# Altium PCB miniBackplane.PcbDoc (part 4 of 24) (continued)
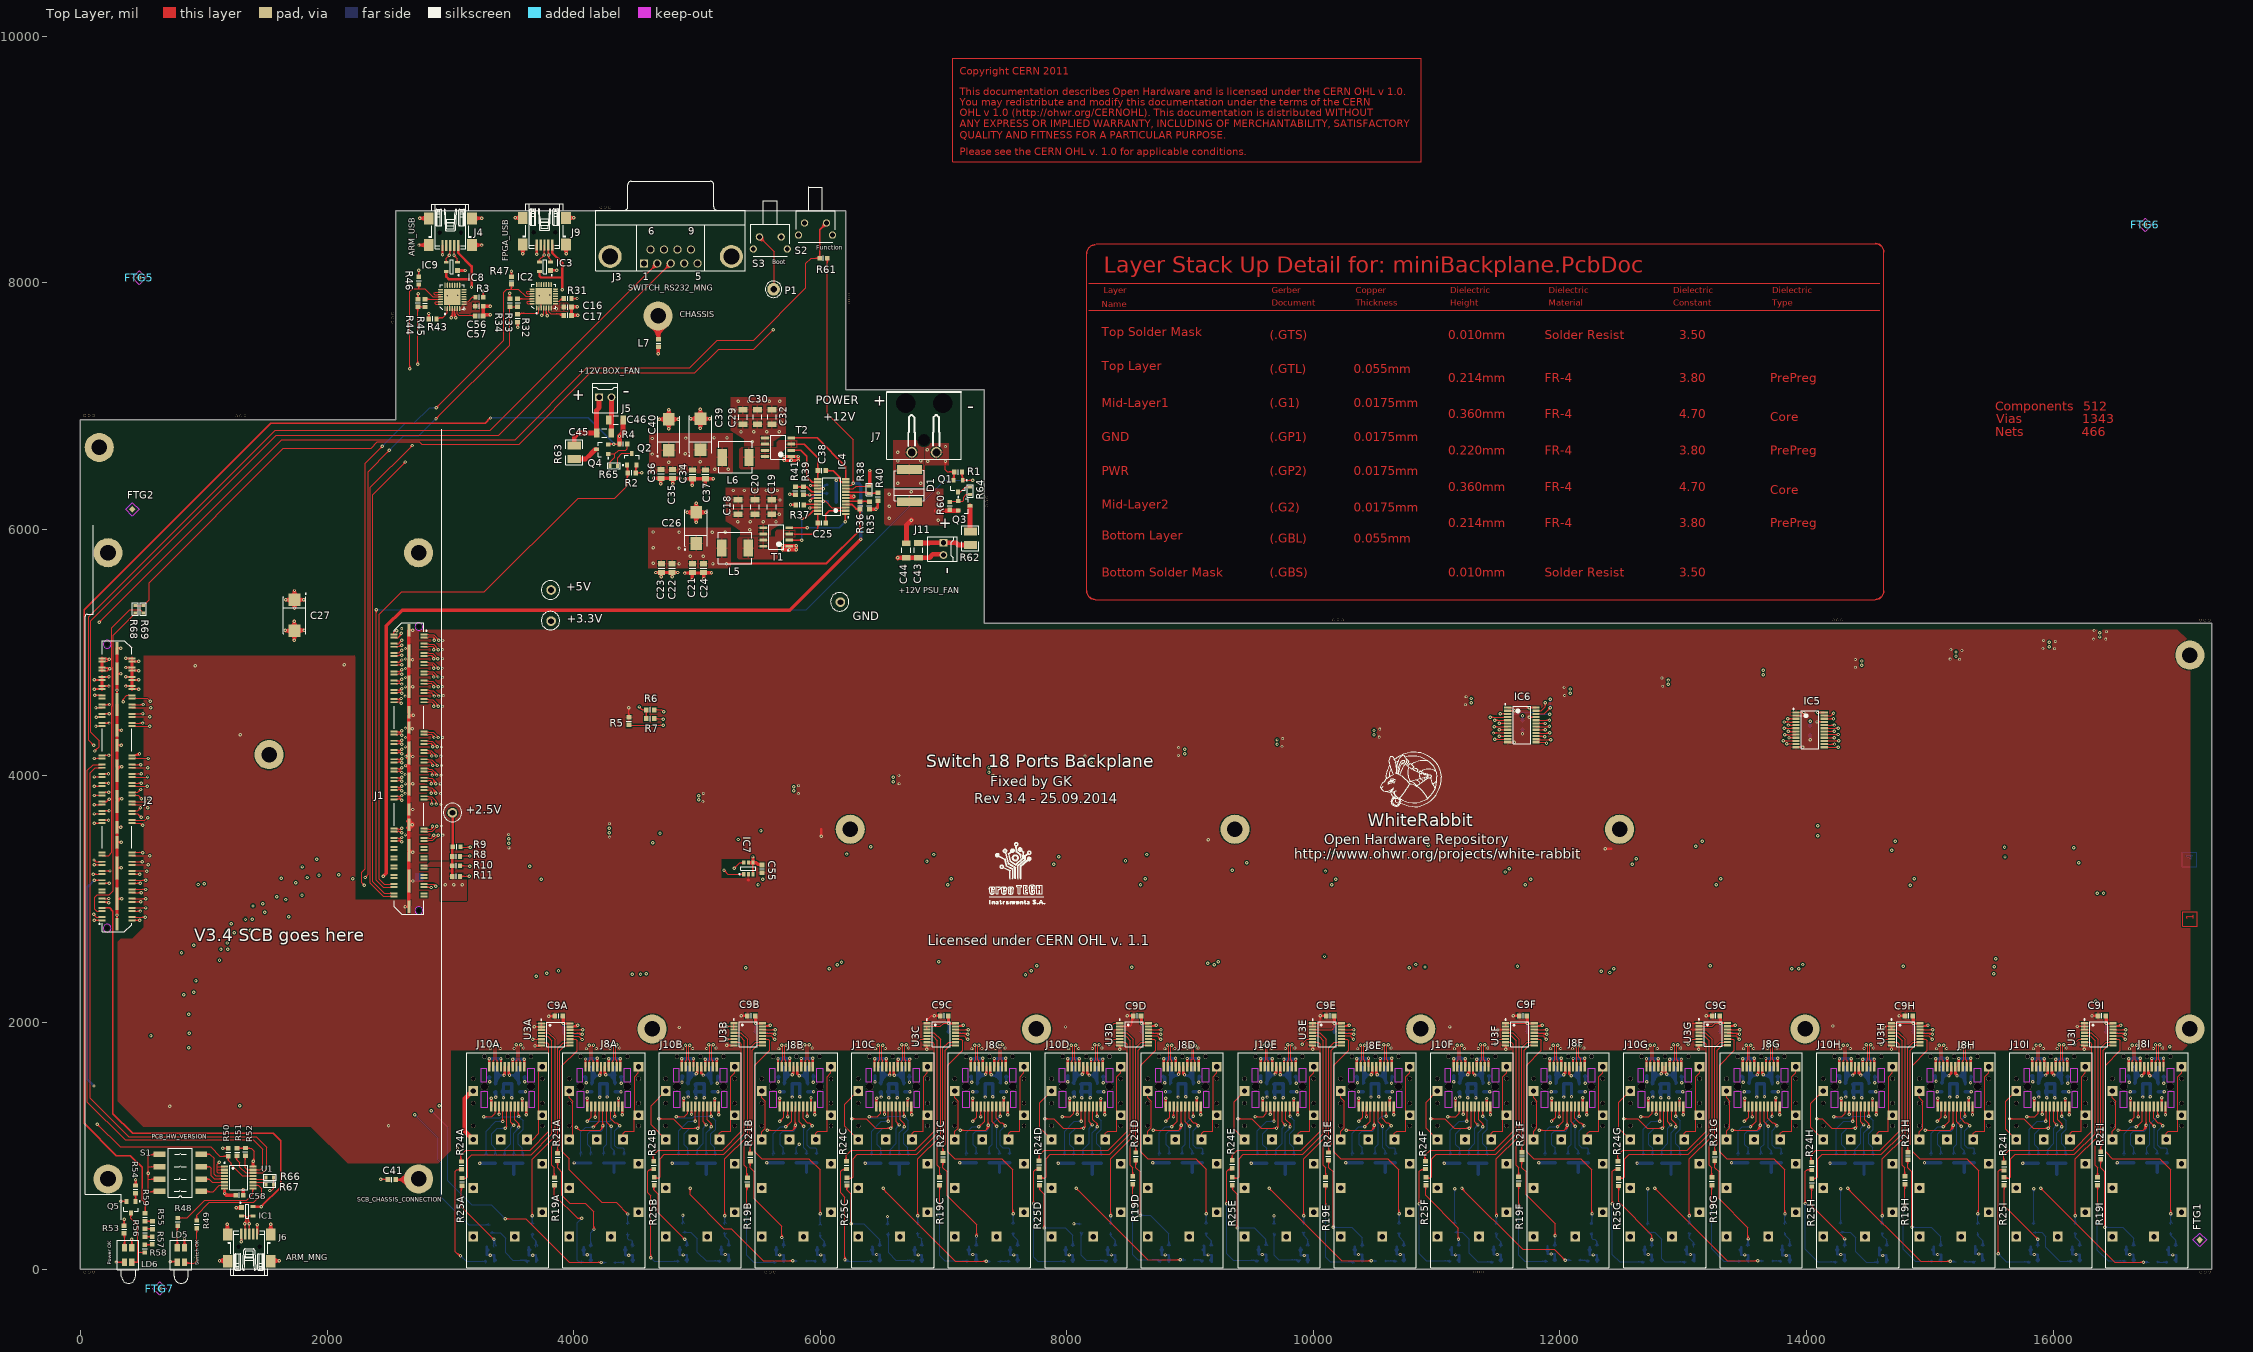
[diagram p0: Top Layer view]
## Nets (pads, with @x,y where several pads share a name; then routed paths per layer and width w, separated by ;. In a path a pad name is that pad's centre, name@x,y a point inside that pad or via, vN(x,y) a via of type N, cw(c..) or ccw(c..) an arc to the next point about the centre after c; other vN are vias at no path point) (continued)
  other v1: 110.68,3616.29
ARM_2V5_GPIO_PE7: J2.67 J8F.6 R13F.1 | length 15900.6
  Top Layer w7.87: J2.67@174.94,4428.79 v1(231.94,4428.79) ; J8F.6@12090.71,1320.05 12090.71,1193.61 v1(12125.69,1158.62) ; 12110.22,1172.61 cw(c12105.35,1154.46) v1@12123.76,1158.23 ; 12111.7,1174.1 ccw(c12129.86,1178.96) v1@12126.09,1160.55 ; 205.12,4428.79 ccw(c205.12,4419.29) 198.39,4426.01 cw(c205.12,4419.29) 205.12,4428.79 ; 205.12,4428.79 cw(c205.12,4438.3) 198.39,4431.58 ccw(c205.12,4438.3) 205.12,4428.79 ; 208.18,4428.79 ccw(c208.18,4452.55) 224.98,4435.75 cw(c208.18,4452.55) 208.18,4428.79 ; 208.18,4428.79 cw(c208.18,4405.03) 224.98,4421.83 ccw(c208.18,4405.03) 208.18,4428.79 ; 12090.71,1274.6 ccw(c12076.45,1274.6) 12086.53,1284.68 cw(c12076.45,1274.6) 12090.71,1274.6 ; 12090.71,1274.6 cw(c12104.97,1274.6) 12094.88,1284.68 ccw(c12104.97,1274.6) 12090.71,1274.6 ; 12108.89,1175.42 ccw(c12125.69,1192.23) 12125.69,1168.46 cw(c12125.69,1192.23) 12108.89,1175.42 ; 12108.89,1175.42 cw(c12092.09,1158.62) 12115.85,1158.62 ccw(c12092.09,1158.62) 12108.89,1175.42
  Mid-Layer 1 w7.09: v1@232.28,4429.13 425.42,4236 516,4236 1578.74,3173.26 1578.74,3135.83 2099.41,2615.16 2765.75,2615.16 2970.47,2819.88 8108.27,2819.88 8185.04,2743.11 11067.91,2743.11 11287.4,2523.62 12227.09,2523.62 v1(12334.65,2416.06) ; 12317.17,2433.54 ccw(c12334.65,2451.01) 12334.65,2426.3 cw(c12334.65,2451.01) 12317.17,2433.54 ; 12317.17,2433.54 cw(c12299.7,2416.06) 12324.41,2416.06 ccw(c12299.7,2416.06) 12317.17,2433.54 ; v1@231.94,4418.56 cw(c231.94,4392.19) 250.58,4410.83 ccw(c231.94,4392.19) v1@231.94,4418.56 ; v1@242.18,4428.79 ccw(c265.24,4428.79) 248.93,4412.49 cw(c265.24,4428.79) v1@242.18,4428.79
  Mid-Layer 2 w7.09: v1@12122.15,1160.34 cw(c12141.15,1151.15) 12135.69,1171.54 ; v1(12125.69,1158.62) 12134.81,1158.62 12181.75,1205.56 12231.75,1205.56 12281.75,1255.56 12281.75,1410.56 ; v1@12128.53,1157.25 cw(c12159.57,1142.24) 12150.64,1175.54 ; v1@12130.81,1167.49 ccw(c12137.97,1179.89) 12141.68,1166.06 ; 12281.19,1411.11 12409.45,1539.37 12409.45,2341.26 v1(12334.65,2416.06) ; 12352.12,2398.59 ccw(c12334.65,2381.11) 12334.65,2405.83 cw(c12334.65,2381.11) 12352.12,2398.59 ; 12352.12,2398.59 cw(c12369.59,2416.06) 12344.88,2416.06 ccw(c12369.59,2416.06) 12352.12,2398.59 ; v1@12125.69,1161.77 ccw(c12125.69,1191.39) 12146.64,1170.45 cw(c12125.69,1191.39) v1@12125.69,1161.77 ; v1@12125.69,1168.86 ccw(c12125.69,1215.58) 12158.73,1182.54 cw(c12125.69,1215.58) v1@12125.69,1168.86
  Bottom Layer w7.87: v1(12125.69,1158.62) 12125.69,983.62 12148.88,960.44 R13F.1@12148.88,925.12 ; 12125.69,1134.86 ccw(c12101.93,1134.86) 12118.73,1151.66 cw(c12101.93,1134.86) 12125.69,1134.86 ; 12125.69,1134.86 cw(c12149.45,1134.86) 12132.65,1151.66 ccw(c12149.45,1134.86) 12125.69,1134.86 ; 12148.88,958.38 ccw(c12182.14,958.38) 12158.62,934.86 cw(c12182.14,958.38) 12148.88,958.38 ; 12148.88,958.38 cw(c12115.61,958.38) 12139.13,934.86 ccw(c12115.61,958.38) 12148.88,958.38
ARM_2V5_GPIO_PE8: J2.25 J10E.6 R27E.1 | length 12715.2
  Top Layer w7.87: v1(110.97,3278.79) J2.25@174.94,3278.79 ; J10E.6@9746.14,1320.05 9746.14,1193.61 v1(9771.13,1168.62) ; 9755.65,1182.61 cw(c9750.78,1164.46) v1@9769.2,1168.23 ; 9757.14,1184.1 ccw(c9775.29,1188.96) v1@9771.52,1170.55 ; 134.73,3278.79 ccw(c134.73,3255.03) 117.93,3271.83 cw(c134.73,3255.03) 134.73,3278.79 ; 134.73,3278.79 cw(c134.73,3302.55) 117.93,3285.75 ccw(c134.73,3302.55) 134.73,3278.79 ; 144.77,3278.79 ccw(c144.77,3288.3) 151.49,3281.58 cw(c144.77,3288.3) 144.77,3278.79 ; 144.77,3278.79 cw(c144.77,3269.29) 151.49,3276.01 ccw(c144.77,3269.29) 144.77,3278.79 ; 9746.14,1274.6 ccw(c9731.88,1274.6) 9741.97,1284.68 cw(c9731.88,1274.6) 9746.14,1274.6 ; 9746.14,1274.6 cw(c9760.4,1274.6) 9750.32,1284.68 ccw(c9760.4,1274.6) 9746.14,1274.6 ; 9754.32,1185.42 ccw(c9771.13,1202.23) 9771.13,1178.46 cw(c9771.13,1202.23) 9754.32,1185.42 ; 9754.32,1185.42 cw(c9737.52,1168.62) 9761.28,1168.62 ccw(c9737.52,1168.62) 9754.32,1185.42
  Mid-Layer 1 w7.09: v1@111.56,3279.53 364.47,3279.53 455,3189 455,2546.97 1478.35,1523.62 2872.05,1523.62 3484.25,2135.83 8860.65,2135.83 9307.18,1689.3 9307.18,1355.82 9494.38,1168.62 v1(9771.13,1168.62) ; 9746.41,1168.62 ccw(c9746.41,1193.33) 9763.89,1175.86 cw(c9746.41,1193.33) 9746.41,1168.62 ; 9746.41,1168.62 cw(c9746.41,1143.91) 9763.89,1161.38 ccw(c9746.41,1143.91) 9746.41,1168.62 ; v1@118.21,3271.55 cw(c137.46,3252.3) 137.46,3279.53 ccw(c137.46,3252.3) v1@118.21,3271.55 ; v1@118.21,3286.03 ccw(c133.91,3301.73) 133.91,3279.53 cw(c133.91,3301.73) v1@118.21,3286.03
  Bottom Layer w7.87: R27E.1@9696.81,922.53 9696.81,969.31 9746.13,1018.62 9746.13,1143.62 v1(9771.13,1168.62) ; 9696.81,955.79 ccw(c9730.08,955.79) 9706.55,932.27 cw(c9730.08,955.79) 9696.81,955.79 ; 9696.81,955.79 cw(c9663.54,955.79) 9687.07,932.27 ccw(c9663.54,955.79) 9696.81,955.79 ; 9754.32,1151.82 ccw(c9737.52,1168.62) 9761.28,1168.62 cw(c9737.52,1168.62) 9754.32,1151.82 ; 9754.32,1151.82 cw(c9771.13,1135.02) 9771.13,1158.78 ccw(c9771.13,1135.02) 9754.32,1151.82
ARM_2V5_GPIO_PE9: J2.65 J8E.6 R13E.1 | length 14718.4
  Top Layer w7.87: v1(125.98,4403.79) J2.65@174.94,4403.79 ; 142.06,4401.73 cw(c145.55,4388.69) J2.65@152.3,4400.38 ; 142.06,4405.85 ccw(c145.55,4418.9) J2.65@152.3,4407.2 ; J8E.6@10526.14,1320.05 10526.14,1193.61 v1(10561.13,1158.62) ; 10545.65,1172.61 cw(c10540.78,1154.46) v1@10559.2,1158.23 ; 10547.14,1174.1 ccw(c10565.29,1178.96) v1@10561.52,1160.55 ; 144.77,4403.79 ccw(c144.77,4413.3) 151.49,4406.58 cw(c144.77,4413.3) 144.77,4403.79 ; 144.77,4403.79 cw(c144.77,4394.29) 151.49,4401.01 ccw(c144.77,4394.29) 144.77,4403.79 ; J2.65@149.75,4403.79 ccw(c149.75,4380.03) 132.94,4396.83 cw(c149.75,4380.03) J2.65@149.75,4403.79 ; J2.65@149.75,4403.79 cw(c149.75,4427.55) 132.94,4410.75 ccw(c149.75,4427.55) J2.65@149.75,4403.79 ; 10526.14,1274.6 ccw(c10511.88,1274.6) 10521.97,1284.68 cw(c10511.88,1274.6) 10526.14,1274.6 ; 10526.14,1274.6 cw(c10540.4,1274.6) 10530.32,1284.68 ccw(c10540.4,1274.6) 10526.14,1274.6 ; 10544.32,1175.42 ccw(c10561.13,1192.23) 10561.13,1168.46 cw(c10561.13,1192.23) 10544.32,1175.42 ; 10544.32,1175.42 cw(c10527.52,1158.62) 10551.28,1158.62 ccw(c10527.52,1158.62) 10544.32,1175.42
  Mid-Layer 1 w7.09: v1@125.98,4403.2 125.98,4336.02 421,4041 483.92,4041 484.02,4041.09 504.57,4041.09 504.66,4041 542,4041 1535.43,3047.57 1535.43,2957.68 2016.73,2476.38 2763.78,2476.38 3006.89,2719.49 7954.72,2719.49 8059.06,2615.16 10691.93,2615.16 10779.53,2527.56 v1(10779.53,2445) ; 125.98,4379.08 ccw(c101.27,4379.08) 118.75,4396.55 cw(c101.27,4379.08) 125.98,4379.08 ; 125.98,4379.08 cw(c150.7,4379.08) 133.22,4396.55 ccw(c150.7,4379.08) 125.98,4379.08 ; 10779.53,2469.71 ccw(c10804.24,2469.71) 10786.77,2452.24 cw(c10804.24,2469.71) 10779.53,2469.71 ; 10779.53,2469.71 cw(c10754.82,2469.71) 10772.29,2452.24 ccw(c10754.82,2469.71) 10779.53,2469.71
  Mid-Layer 2 w7.09: v1@10557.58,1160.34 cw(c10576.59,1151.15) 10571.12,1171.54 ; v1(10561.13,1158.62) 10570.24,1158.62 10617.18,1205.56 10667.18,1205.56 10717.18,1255.56 10717.18,1410.99 10842.5,1536.31 10842.5,1712.62 10696.85,1858.27 10696.85,2000 10783.35,2086.5 v1@10783.35,2445 ; v1@10563.96,1157.25 cw(c10595,1142.24) 10586.08,1175.54 ; v1@10566.24,1167.49 ccw(c10573.41,1179.89) 10577.11,1166.06 ; v1@10561.13,1161.77 ccw(c10561.13,1191.39) 10582.07,1170.45 cw(c10561.13,1191.39) v1@10561.13,1161.77 ; v1@10561.13,1168.86 ccw(c10561.13,1215.58) 10594.17,1182.54 cw(c10561.13,1215.58) v1@10561.13,1168.86 ; v1@10772.29,2437.76 cw(c10745.6,2411.07) 10783.35,2411.07 ccw(c10745.6,2411.07) v1@10772.29,2437.76 ; v1@10777.3,2442.77 cw(c10762.7,2428.18) 10783.35,2428.18 ccw(c10762.7,2428.18) v1@10777.3,2442.77 ; 10783.35,2429.51 cw(c10795.02,2429.51) 10786.77,2437.76 ccw(c10795.02,2429.51) 10783.35,2429.51
  Bottom Layer w7.87: v1(10561.13,1158.62) 10561.13,983.62 10584.31,960.44 R13E.1@10584.31,925.12 ; 10561.13,1134.86 ccw(c10537.36,1134.86) 10554.17,1151.66 cw(c10537.36,1134.86) 10561.13,1134.86 ; 10561.13,1134.86 cw(c10584.89,1134.86) 10568.09,1151.66 ccw(c10584.89,1134.86) 10561.13,1134.86 ; 10584.31,958.38 ccw(c10617.58,958.38) 10594.05,934.86 cw(c10617.58,958.38) 10584.31,958.38 ; 10584.31,958.38 cw(c10551.04,958.38) 10574.57,934.86 ccw(c10551.04,958.38) 10584.31,958.38
ARM_2V5_GPIO_PE10: J2.23 J10D.6 R27D.1 | length 11009.1
  Top Layer w7.87: J2.23@174.94,3228.79 v1(239.71,3228.79) ; J10D.6@8181.14,1320.05 8181.14,1193.61 v1(8206.13,1168.62) ; 8190.65,1182.61 cw(c8185.78,1164.46) v1@8204.2,1168.23 ; 8192.14,1184.1 ccw(c8210.29,1188.96) v1@8206.52,1170.55 ; 205.12,3228.79 ccw(c205.12,3219.29) 198.39,3226.01 cw(c205.12,3219.29) 205.12,3228.79 ; 205.12,3228.79 cw(c205.12,3238.3) 198.39,3231.58 ccw(c205.12,3238.3) 205.12,3228.79 ; 215.95,3228.79 ccw(c215.95,3252.55) 232.75,3235.75 cw(c215.95,3252.55) 215.95,3228.79 ; 215.95,3228.79 cw(c215.95,3205.03) 232.75,3221.83 ccw(c215.95,3205.03) 215.95,3228.79 ; 8181.14,1274.6 ccw(c8166.88,1274.6) 8176.97,1284.68 cw(c8166.88,1274.6) 8181.14,1274.6 ; 8181.14,1274.6 cw(c8195.4,1274.6) 8185.32,1284.68 ccw(c8195.4,1274.6) 8181.14,1274.6 ; 8189.32,1185.42 ccw(c8206.13,1202.23) 8206.13,1178.46 cw(c8206.13,1202.23) 8189.32,1185.42 ; 8189.32,1185.42 cw(c8172.52,1168.62) 8196.28,1168.62 ccw(c8172.52,1168.62) 8189.32,1185.42
  Mid-Layer 1 w7.09: v1@240.3,3228.2 290.8,3228.2 426,3093 426,2438.17 1395.67,1468.5 2911.42,1468.5 3529.53,2086.61 7334.65,2086.61 7742.18,1679.08 7742.18,1352.82 7926.38,1168.62 v1(8206.13,1168.62) ; 8181.41,1168.62 ccw(c8181.41,1193.33) 8198.89,1175.86 cw(c8181.41,1193.33) 8181.41,1168.62 ; 8181.41,1168.62 cw(c8181.41,1143.91) 8198.89,1161.38 ccw(c8181.41,1143.91) 8181.41,1168.62 ; v1@246.95,3221.55 cw(c263,3205.5) 263,3228.2 ccw(c263,3205.5) v1@246.95,3221.55 ; v1@246.95,3236.03 ccw(c265.85,3254.93) 265.85,3228.2 cw(c265.85,3254.93) v1@246.95,3236.03
  Bottom Layer w7.87: R27D.1@8131.81,922.53 8131.81,969.31 8181.13,1018.62 8181.13,1143.62 v1(8206.13,1168.62) ; 8131.81,955.79 ccw(c8165.08,955.79) 8141.55,932.27 cw(c8165.08,955.79) 8131.81,955.79 ; 8131.81,955.79 cw(c8098.54,955.79) 8122.07,932.27 ccw(c8098.54,955.79) 8131.81,955.79 ; 8189.32,1151.82 ccw(c8172.52,1168.62) 8196.28,1168.62 cw(c8172.52,1168.62) 8189.32,1151.82 ; 8189.32,1151.82 cw(c8206.13,1135.02) 8206.13,1158.78 ccw(c8206.13,1135.02) 8189.32,1151.82
ARM_2V5_GPIO_PE11: J2.47 J8D.6 R13D.1 | length 12718
  Top Layer w7.87: J2.47@174.94,3866.29 v1(228.2,3866.29) ; J8D.6@8961.14,1320.05 8961.14,1193.61 v1(8996.13,1158.62) ; 8980.65,1172.61 cw(c8975.78,1154.46) v1@8994.2,1158.23 ; 8982.14,1174.1 ccw(c9000.29,1178.96) v1@8996.52,1160.55 ; 204.43,3866.29 ccw(c204.43,3890.05) 221.24,3873.25 cw(c204.43,3890.05) 204.43,3866.29 ; 204.43,3866.29 cw(c204.43,3842.53) 221.24,3859.33 ccw(c204.43,3842.53) 204.43,3866.29 ; 205.12,3866.29 ccw(c205.12,3856.79) 198.39,3863.51 cw(c205.12,3856.79) 205.12,3866.29 ; 205.12,3866.29 cw(c205.12,3875.8) 198.39,3869.08 ccw(c205.12,3875.8) 205.12,3866.29 ; 8961.14,1274.6 ccw(c8946.88,1274.6) 8956.97,1284.68 cw(c8946.88,1274.6) 8961.14,1274.6 ; 8961.14,1274.6 cw(c8975.4,1274.6) 8965.32,1284.68 ccw(c8975.4,1274.6) 8961.14,1274.6 ; 8979.32,1175.42 ccw(c8996.13,1192.23) 8996.13,1168.46 cw(c8996.13,1192.23) 8979.32,1175.42 ; 8979.32,1175.42 cw(c8962.52,1158.62) 8986.28,1158.62 ccw(c8962.52,1158.62) 8979.32,1175.42
  Mid-Layer 1 w7.09: v1@228.35,3870.08 236.22,3862.2 623.8,3862.2 1359,3127 1359,2914.62 1981.3,2292.32 2707.91,2292.32 3057.32,2641.73 6029.14,2641.73 6120.46,2641.73 7793.31,2641.73 7916.34,2518.7 9107.28,2518.7 v1(9145.13,2480.85) ; 9127.66,2498.33 ccw(c9145.13,2515.8) 9145.13,2491.09 cw(c9145.13,2515.8) 9127.66,2498.33 ; 9127.66,2498.33 cw(c9110.18,2480.85) 9134.89,2480.85 ccw(c9110.18,2480.85) 9127.66,2498.33 ; v1@230.42,3868.52 ccw(c245.67,3883.76) 245.67,3862.2 cw(c245.67,3883.76) v1@230.42,3868.52 ; v1@235.43,3859.05 cw(c243.04,3851.44) 243.04,3862.2 ccw(c243.04,3851.44) v1@235.43,3859.05 ; v1@235.43,3873.53 ccw(c262.78,3900.87) 262.78,3862.2 cw(c262.78,3900.87) v1@235.43,3873.53
  Mid-Layer 2 w7.09: v1@8992.58,1160.34 cw(c9011.59,1151.15) 9006.12,1171.54 ; v1(8996.13,1158.62) 9005.24,1158.62 9052.18,1205.56 9102.18,1205.56 9152.18,1255.56 9152.18,1410.56 9182.18,1440.56 9182.18,1515.56 9161.42,1536.32 9161.42,2369.54 9145.13,2385.83 v1(9145.13,2480.85) ; v1@8998.96,1157.25 cw(c9030,1142.24) 9021.08,1175.54 ; v1@9001.24,1167.49 ccw(c9008.41,1179.89) 9012.11,1166.06 ; 9145.13,2456.14 ccw(c9120.42,2456.14) 9137.89,2473.62 cw(c9120.42,2456.14) 9145.13,2456.14 ; 9145.13,2456.14 cw(c9169.84,2456.14) 9152.37,2473.62 ccw(c9169.84,2456.14) 9145.13,2456.14 ; v1@8996.13,1161.77 ccw(c8996.13,1191.39) 9017.07,1170.45 cw(c8996.13,1191.39) v1@8996.13,1161.77 ; v1@8996.13,1168.86 ccw(c8996.13,1215.58) 9029.17,1182.54 cw(c8996.13,1215.58) v1@8996.13,1168.86
  Bottom Layer w7.87: v1(8996.13,1158.62) 8996.13,983.62 9019.31,960.44 R13D.1@9019.31,925.12 ; 8996.13,1134.86 ccw(c8972.36,1134.86) 8989.17,1151.66 cw(c8972.36,1134.86) 8996.13,1134.86 ; 8996.13,1134.86 cw(c9019.89,1134.86) 9003.09,1151.66 ccw(c9019.89,1134.86) 8996.13,1134.86 ; 9019.31,958.38 ccw(c9052.58,958.38) 9029.05,934.86 cw(c9052.58,958.38) 9019.31,958.38 ; 9019.31,958.38 cw(c8986.04,958.38) 9009.57,934.86 ccw(c8986.04,958.38) 9019.31,958.38
ARM_2V5_GPIO_PE12: J2.21 J10C.6 R27C.1 | length 9137.2
  Top Layer w7.87: v1@102.36,3200.79 v1(105.37,3203.79) J2.21@174.94,3203.79 ; J10C.6@6616.14,1320.05 6616.14,1193.61 v1(6641.13,1168.62) ; 6625.65,1182.61 cw(c6620.78,1164.46) v1@6639.2,1168.23 ; 6627.14,1184.1 ccw(c6645.29,1188.96) v1@6641.52,1170.55 ; 129.13,3203.79 ccw(c129.13,3180.03) 112.33,3196.83 cw(c129.13,3180.03) 129.13,3203.79 ; 129.13,3203.79 cw(c129.13,3227.55) 112.33,3210.75 ccw(c129.13,3227.55) 129.13,3203.79 ; 144.77,3203.79 ccw(c144.77,3213.3) 151.49,3206.58 cw(c144.77,3213.3) 144.77,3203.79 ; 144.77,3203.79 cw(c144.77,3194.29) 151.49,3201.01 ccw(c144.77,3194.29) 144.77,3203.79 ; 6624.32,1185.42 ccw(c6641.13,1202.23) 6641.13,1178.46 cw(c6641.13,1202.23) 6624.32,1185.42 ; 6624.32,1185.42 cw(c6607.52,1168.62) 6631.28,1168.62 ccw(c6607.52,1168.62) 6624.32,1185.42 ; J10C.6@6609.47,1284.68 cw(c6593.35,1268.57) 6616.14,1268.57 ccw(c6593.35,1268.57) J10C.6@6609.47,1284.68
  Mid-Layer 1 w7.09: v1@105.96,3203.2 233.8,3203.2 396,3041 396,2338.25 1324.8,1409.45 2973.43,1409.45 3181.1,1617.13 3642.87,1617.13 3682,1578 3801,1578 3840.13,1617.13 4410.87,1617.13 4447,1581 4594,1581 4641.94,1628.94 5169.06,1628.94 5217,1581 5658,1581 5698,1541 6011.17,1541 6383.54,1168.62 v1(6641.13,1168.62) ; 6616.41,1168.62 ccw(c6616.41,1193.33) 6633.89,1175.86 cw(c6616.41,1193.33) 6616.41,1168.62 ; 6616.41,1168.62 cw(c6616.41,1143.91) 6633.89,1161.38 ccw(c6616.41,1143.91) 6616.41,1168.62 ; v1@112.6,3196.55 cw(c128.65,3180.5) 128.65,3203.2 ccw(c128.65,3180.5) v1@112.6,3196.55 ; v1@112.6,3211.03 ccw(c131.5,3229.93) 131.5,3203.2 cw(c131.5,3229.93) v1@112.6,3211.03
  Bottom Layer w7.87: R27C.1@6566.81,922.53 6566.81,969.31 6616.13,1018.62 6616.13,1143.62 v1(6641.13,1168.62) ; 6566.81,955.79 ccw(c6600.08,955.79) 6576.55,932.27 cw(c6600.08,955.79) 6566.81,955.79 ; 6566.81,955.79 cw(c6533.54,955.79) 6557.07,932.27 ccw(c6533.54,955.79) 6566.81,955.79 ; 6624.32,1151.82 ccw(c6607.52,1168.62) 6631.28,1168.62 cw(c6607.52,1168.62) 6624.32,1151.82 ; 6624.32,1151.82 cw(c6641.13,1135.02) 6641.13,1158.78 ccw(c6641.13,1135.02) 6624.32,1151.82
ARM_2V5_GPIO_PE13: J2.45 J8C.6 R13C.1 | length 11590.3
  Top Layer w7.87: v1@103.59,3841.29 J2.45@174.94,3841.29 ; J8C.6@7396.14,1320.05 7396.14,1193.61 v1(7431.13,1158.62) ; 7415.65,1172.61 cw(c7410.78,1154.46) v1@7429.2,1158.23 ; 7417.14,1174.1 ccw(c7435.29,1178.96) v1@7431.52,1160.55 ; 134.44,3841.29 ccw(c134.44,3817.53) 117.64,3834.33 cw(c134.44,3817.53) 134.44,3841.29 ; 134.44,3841.29 cw(c134.44,3865.05) 117.64,3848.25 ccw(c134.44,3865.05) 134.44,3841.29 ; 144.77,3841.29 ccw(c144.77,3850.8) 151.49,3844.08 cw(c144.77,3850.8) 144.77,3841.29 ; 144.77,3841.29 cw(c144.77,3831.79) 151.49,3838.51 ccw(c144.77,3831.79) 144.77,3841.29 ; 7396.14,1274.6 ccw(c7381.88,1274.6) 7391.97,1284.68 cw(c7381.88,1274.6) 7396.14,1274.6 ; 7396.14,1274.6 cw(c7410.4,1274.6) 7400.32,1284.68 ccw(c7410.4,1274.6) 7396.14,1274.6 ; 7414.32,1175.42 ccw(c7431.13,1192.23) 7431.13,1168.46 cw(c7431.13,1192.23) 7414.32,1175.42 ; 7414.32,1175.42 cw(c7397.52,1158.62) 7421.28,1158.62 ccw(c7397.52,1158.62) 7414.32,1175.42
  Mid-Layer 1 w7.09: v1@102.36,3840.7 600.3,3840.7 1297,3144 1297,2770.91 1904.53,2163.39 2712.6,2163.39 3127.95,2578.74 6055.23,2578.74 6094.37,2578.74 7471.97,2578.74 v1(7665.12,2385.59) ; 7647.64,2403.06 ccw(c7665.12,2420.54) 7665.12,2395.83 cw(c7665.12,2420.54) 7647.64,2403.06 ; 7647.64,2403.06 cw(c7630.17,2385.59) 7654.88,2385.59 ccw(c7630.17,2385.59) 7647.64,2403.06 ; v1@117.92,3834.05 cw(c133.96,3818) 133.96,3840.7 ccw(c133.96,3818) v1@117.92,3834.05 ; v1@117.92,3848.53 ccw(c136.82,3867.43) 136.82,3840.7 cw(c136.82,3867.43) v1@117.92,3848.53
  Mid-Layer 2 w7.09: v1@7427.58,1160.34 cw(c7446.59,1151.15) 7441.12,1171.54 ; v1(7431.13,1158.62) 7440.24,1158.62 7487.18,1205.56 7537.18,1205.56 7587.18,1255.56 7587.18,1410.56 7720.47,1543.85 7720.47,1716.54 7582.68,1854.33 7582.68,2007.87 7716.54,2141.73 7716.54,2334.17 v1(7665.12,2385.59) ; v1@7433.96,1157.25 cw(c7465,1142.24) 7456.08,1175.54 ; v1@7436.24,1167.49 ccw(c7443.41,1179.89) 7447.11,1166.06 ; 7682.59,2368.12 ccw(c7665.12,2350.64) 7665.12,2375.35 cw(c7665.12,2350.64) 7682.59,2368.12 ; 7682.59,2368.12 cw(c7700.07,2385.59) 7675.35,2385.59 ccw(c7700.07,2385.59) 7682.59,2368.12 ; v1@7431.13,1161.77 ccw(c7431.13,1191.39) 7452.07,1170.45 cw(c7431.13,1191.39) v1@7431.13,1161.77 ; v1@7431.13,1168.86 ccw(c7431.13,1215.58) 7464.17,1182.54 cw(c7431.13,1215.58) v1@7431.13,1168.86
  Bottom Layer w7.87: v1(7431.13,1158.62) 7431.13,983.62 7454.31,960.44 R13C.1@7454.31,925.12 ; 7431.13,1134.86 ccw(c7407.36,1134.86) 7424.17,1151.66 cw(c7407.36,1134.86) 7431.13,1134.86 ; 7431.13,1134.86 cw(c7454.89,1134.86) 7438.09,1151.66 ccw(c7454.89,1134.86) 7431.13,1134.86 ; 7454.31,958.38 ccw(c7487.58,958.38) 7464.05,934.86 cw(c7487.58,958.38) 7454.31,958.38 ; 7454.31,958.38 cw(c7421.04,958.38) 7444.57,934.86 ccw(c7421.04,958.38) 7454.31,958.38
  other v1: 110.68,3841.29
ARM_2V5_GPIO_PE14: J2.17 J10B.6 R27B.1 | length 7271
  Top Layer w7.87: J2.17@174.94,3128.79 v1(235.09,3128.79) ; J10B.6@5051.14,1320.04 5051.14,1193.6 v1(5076.13,1168.61) ; 5060.65,1182.6 cw(c5055.78,1164.45) v1@5074.2,1168.22 ; 5062.14,1184.09 ccw(c5080.29,1188.96) v1@5076.52,1170.54 ; 205.12,3128.79 ccw(c205.12,3119.29) 198.39,3126.01 cw(c205.12,3119.29) 205.12,3128.79 ; 205.12,3128.79 cw(c205.12,3138.3) 198.39,3131.58 ccw(c205.12,3138.3) 205.12,3128.79 ; 211.33,3128.79 ccw(c211.33,3152.55) 228.13,3135.75 cw(c211.33,3152.55) 211.33,3128.79 ; 211.33,3128.79 cw(c211.33,3105.03) 228.13,3121.83 ccw(c211.33,3105.03) 211.33,3128.79 ; 5051.14,1274.6 ccw(c5036.88,1274.6) 5046.97,1284.68 cw(c5036.88,1274.6) 5051.14,1274.6 ; 5051.14,1274.6 cw(c5065.4,1274.6) 5055.32,1284.68 ccw(c5065.4,1274.6) 5051.14,1274.6 ; 5059.32,1185.42 ccw(c5076.13,1202.22) 5076.13,1178.46 cw(c5076.13,1202.22) 5059.32,1185.42 ; 5059.32,1185.42 cw(c5042.52,1168.61) 5066.28,1168.61 ccw(c5042.52,1168.61) 5059.32,1185.42
  Mid-Layer 1 w7.09: v1(235.09,3128.79) 262.21,3128.79 369,3022 369,2175.29 1193.9,1350.39 3079.72,1350.39 3139.12,1291 3461,1291 3559,1193 4057,1193 4085,1165 4126,1165 4154,1193 4812.61,1193 4837,1168.61 v1(5076.13,1168.61) ; 259.8,3128.79 ccw(c259.8,3104.08) 242.33,3121.55 cw(c259.8,3104.08) 259.8,3128.79 ; 259.8,3128.79 cw(c259.8,3153.5) 242.33,3136.03 ccw(c259.8,3153.5) 259.8,3128.79 ; 5051.41,1168.61 ccw(c5051.41,1193.33) 5068.89,1175.85 cw(c5051.41,1193.33) 5051.41,1168.61 ; 5051.41,1168.61 cw(c5051.41,1143.9) 5068.89,1161.38 ccw(c5051.41,1143.9) 5051.41,1168.61
  Bottom Layer w7.87: R27B.1@5001.81,922.52 5001.81,969.3 5051.13,1018.61 5051.13,1143.61 v1(5076.13,1168.61) ; 5001.81,955.79 ccw(c5035.08,955.79) 5011.55,932.26 cw(c5035.08,955.79) 5001.81,955.79 ; 5001.81,955.79 cw(c4968.54,955.79) 4992.07,932.26 ccw(c4968.54,955.79) 5001.81,955.79 ; 5059.32,1151.81 ccw(c5042.52,1168.61) 5066.28,1168.61 cw(c5042.52,1168.61) 5059.32,1151.81 ; 5059.32,1151.81 cw(c5076.13,1135.01) 5076.13,1158.77 ccw(c5076.13,1135.01) 5059.32,1151.81
ARM_2V5_GPIO_PE15: J2.43 J8B.6 R13B.1 | length 9946.2
  Top Layer w7.87: J2.43@174.94,3791.29 212.55,3791.29 v1(232.28,3811.02) ; 216.81,3797.03 ccw(c211.94,3815.19) v1@230.35,3811.42 ; 218.29,3795.55 cw(c236.45,3790.68) v1@232.68,3809.1 ; J8B.6@5831.14,1320.04 5831.14,1193.6 v1(5866.13,1158.61) ; 5850.65,1172.6 cw(c5845.78,1154.45) v1@5864.2,1158.22 ; 5852.14,1174.09 ccw(c5870.29,1178.96) v1@5866.52,1160.54 ; 205.12,3791.29 ccw(c205.12,3781.79) 198.39,3788.51 cw(c205.12,3781.79) 205.12,3791.29 ; 205.12,3791.29 cw(c205.12,3800.8) 198.39,3794.08 ccw(c205.12,3800.8) 205.12,3791.29 ; 215.48,3794.22 ccw(c198.68,3811.02) 222.44,3811.02 cw(c198.68,3811.02) 215.48,3794.22 ; 215.48,3794.22 cw(c232.28,3777.42) 232.28,3801.18 ccw(c232.28,3777.42) 215.48,3794.22 ; 5831.14,1274.6 ccw(c5816.88,1274.6) 5826.97,1284.68 cw(c5816.88,1274.6) 5831.14,1274.6 ; 5831.14,1274.6 cw(c5845.4,1274.6) 5835.32,1284.68 ccw(c5845.4,1274.6) 5831.14,1274.6 ; 5849.32,1175.42 ccw(c5866.13,1192.22) 5866.13,1168.46 cw(c5866.13,1192.22) 5849.32,1175.42 ; 5849.32,1175.42 cw(c5832.52,1158.61) 5856.28,1158.61 ccw(c5832.52,1158.61) 5849.32,1175.42
  Mid-Layer 1 w7.09: v1(232.28,3811.02) 255.11,3788.2 562.27,3788.2 563.45,3789.37 596.63,3789.37 1143,3243 1143,2730.03 1824.8,2048.23 2740.16,2048.23 3207.68,2515.75 5996.06,2515.75 v1(6074.8,2437.01) ; 249.76,3793.55 ccw(c232.28,3776.07) 232.28,3800.79 cw(c232.28,3776.07) 249.76,3793.55 ; 249.76,3793.55 cw(c267.23,3811.02) 242.52,3811.02 ccw(c267.23,3811.02) 249.76,3793.55 ; 6057.33,2454.48 ccw(c6074.8,2471.96) 6074.8,2447.24 cw(c6074.8,2471.96) 6057.33,2454.48 ; 6057.33,2454.48 cw(c6039.85,2437.01) 6064.57,2437.01 ccw(c6039.85,2437.01) 6057.33,2454.48
  Mid-Layer 2 w7.09: v1@5862.58,1160.33 cw(c5881.59,1151.14) 5876.12,1171.53 ; v1(5866.13,1158.61) 5875.24,1158.61 5922.18,1205.55 5972.18,1205.55 6022.18,1255.55 6022.18,1410.55 6151.57,1539.94 6151.57,2360.24 v1(6074.8,2437.01) ; v1@5868.96,1157.24 cw(c5900,1142.24) 5891.08,1175.54 ; v1@5871.24,1167.48 ccw(c5878.41,1179.89) 5882.11,1166.05 ; 6092.28,2419.53 ccw(c6074.8,2402.06) 6074.8,2426.77 cw(c6074.8,2402.06) 6092.28,2419.53 ; 6092.28,2419.53 cw(c6109.75,2437.01) 6085.04,2437.01 ccw(c6109.75,2437.01) 6092.28,2419.53 ; v1@5866.13,1161.76 ccw(c5866.13,1191.38) 5887.07,1170.44 cw(c5866.13,1191.38) v1@5866.13,1161.76 ; v1@5866.13,1168.85 ccw(c5866.13,1215.58) 5899.17,1182.54 cw(c5866.13,1215.58) v1@5866.13,1168.85
  Bottom Layer w7.87: v1(5866.13,1158.61) 5866.13,983.61 5889.31,960.43 R13B.1@5889.31,925.11 ; 5866.13,1134.85 ccw(c5842.36,1134.85) 5859.17,1151.65 cw(c5842.36,1134.85) 5866.13,1134.85 ; 5866.13,1134.85 cw(c5889.89,1134.85) 5873.09,1151.65 ccw(c5889.89,1134.85) 5866.13,1134.85 ; 5889.31,958.38 ccw(c5922.58,958.38) 5899.05,934.85 cw(c5922.58,958.38) 5889.31,958.38 ; 5889.31,958.38 cw(c5856.04,958.38) 5879.57,934.85 ccw(c5856.04,958.38) 5889.31,958.38
ARM_3V3_GPIO_PB0: IC5.23 IC6.23 J2.63 R7.2 | length 16038.8
  Top Layer w7.87: J2.63@174.94,4166.29 v1(231.35,4166.29) ; R7.2@4653.54,4464.57 4724.41,4464.57 v1(4728.35,4460.63) ; IC6.23@11822.83,4527.56 11850.39,4527.56 11881.89,4559.06 v1(11881.89,4594.49) ; IC5.23@14143.27,4488.7 14199.33,4488.7 v1(14219.49,4508.86) ; 14204.01,4494.87 ccw(c14199.15,4513.02) v1@14217.56,4509.25 ; 14205.5,4493.38 cw(c14223.65,4488.52) v1@14219.88,4506.93 ; 205.12,4166.29 ccw(c205.12,4156.79) 198.39,4163.51 cw(c205.12,4156.79) 205.12,4166.29 ; 205.12,4166.29 cw(c205.12,4175.8) 198.39,4169.08 ccw(c205.12,4175.8) 205.12,4166.29 ; 207.58,4166.29 ccw(c207.58,4190.05) 224.39,4173.25 cw(c207.58,4190.05) 207.58,4166.29 ; 207.58,4166.29 cw(c207.58,4142.53) 224.39,4159.33 ccw(c207.58,4142.53) 207.58,4166.29 ; 4686.81,4464.57 ccw(c4686.81,4431.3) 4663.29,4454.82 cw(c4686.81,4431.3) 4686.81,4464.57 ; 4686.81,4464.57 cw(c4686.81,4497.83) 4663.29,4474.31 ccw(c4686.81,4497.83) 4686.81,4464.57 ; 11881.89,4570.73 ccw(c11858.13,4570.73) 11874.93,4587.53 cw(c11858.13,4570.73) 11881.89,4570.73 ; 11881.89,4570.73 cw(c11905.65,4570.73) 11888.85,4587.53 ccw(c11905.65,4570.73) 11881.89,4570.73 ; 14175.82,4488.7 ccw(c14175.82,4476.82) 14167.42,4485.22 cw(c14175.82,4476.82) 14175.82,4488.7 ; 14175.82,4488.7 cw(c14175.82,4500.58) 14167.42,4492.18 ccw(c14175.82,4500.58) 14175.82,4488.7 ; 14202.69,4492.06 ccw(c14185.88,4508.86) 14209.65,4508.86 cw(c14185.88,4508.86) 14202.69,4492.06 ; 14202.69,4492.06 cw(c14219.49,4475.25) 14219.49,4499.02 ccw(c14219.49,4475.25) 14202.69,4492.06 ; IC6.23@11829.9,4524.59 cw(c11837.06,4517.43) 11837.06,4527.56 ccw(c11837.06,4517.43) IC6.23@11829.9,4524.59 ; IC6.23@11829.9,4531.55 ccw(c11839.53,4541.19) 11839.53,4527.56 cw(c11839.53,4541.19) IC6.23@11829.9,4531.55
  Mid-Layer 1 w7.09: v1(4728.35,4460.63) 11250,4460.63 11324.8,4535.43 11444.88,4535.43 11503.94,4594.49 v1(11881.89,4594.49) 14200.79,4594.49 14220.47,4574.8 v1@14220.47,4501.02 ; 4753.06,4460.63 ccw(c4753.06,4435.92) 4735.58,4453.39 cw(c4753.06,4435.92) 4753.06,4460.63 ; 4753.06,4460.63 cw(c4753.06,4485.34) 4735.58,4467.87 ccw(c4753.06,4485.34) 4753.06,4460.63 ; 11857.18,4594.49 ccw(c11857.18,4619.2) 11874.65,4601.73 cw(c11857.18,4619.2) 11857.18,4594.49 ; 11857.18,4594.49 cw(c11857.18,4569.78) 11874.65,4587.25 ccw(c11857.18,4569.78) 11857.18,4594.49 ; 11906.6,4594.49 ccw(c11906.6,4569.78) 11889.13,4587.25 cw(c11906.6,4569.78) 11906.6,4594.49 ; 11906.6,4594.49 cw(c11906.6,4619.2) 11889.13,4601.73 ccw(c11906.6,4619.2) 11906.6,4594.49 ; v1@14212.25,4516.1 ccw(c14192.4,4535.95) 14220.47,4535.95 cw(c14192.4,4535.95) v1@14212.25,4516.1 ; 14220.47,4531.19 ccw(c14241.82,4531.19) 14226.73,4516.1 cw(c14241.82,4531.19) 14220.47,4531.19
  Mid-Layer 2 w7.09: v1@230.76,4166.88 199,4198.64 199,4605 257,4663 341,4663 408,4730 2238.5,4730 2464.57,4503.94 2507.87,4460.63 v1(4728.35,4460.63) ; 213.87,4183.77 ccw(c231.35,4201.24) 231.35,4176.53 cw(c231.35,4201.24) 213.87,4183.77 ; 213.87,4183.77 cw(c196.4,4166.29) 221.11,4166.29 ccw(c196.4,4166.29) 213.87,4183.77 ; 4703.63,4460.63 ccw(c4703.63,4485.34) 4721.11,4467.87 cw(c4703.63,4485.34) 4703.63,4460.63 ; 4703.63,4460.63 cw(c4703.63,4435.92) 4721.11,4453.39 ccw(c4703.63,4435.92) 4703.63,4460.63